# Allegro board FMDEMOD-57.brd (continued)
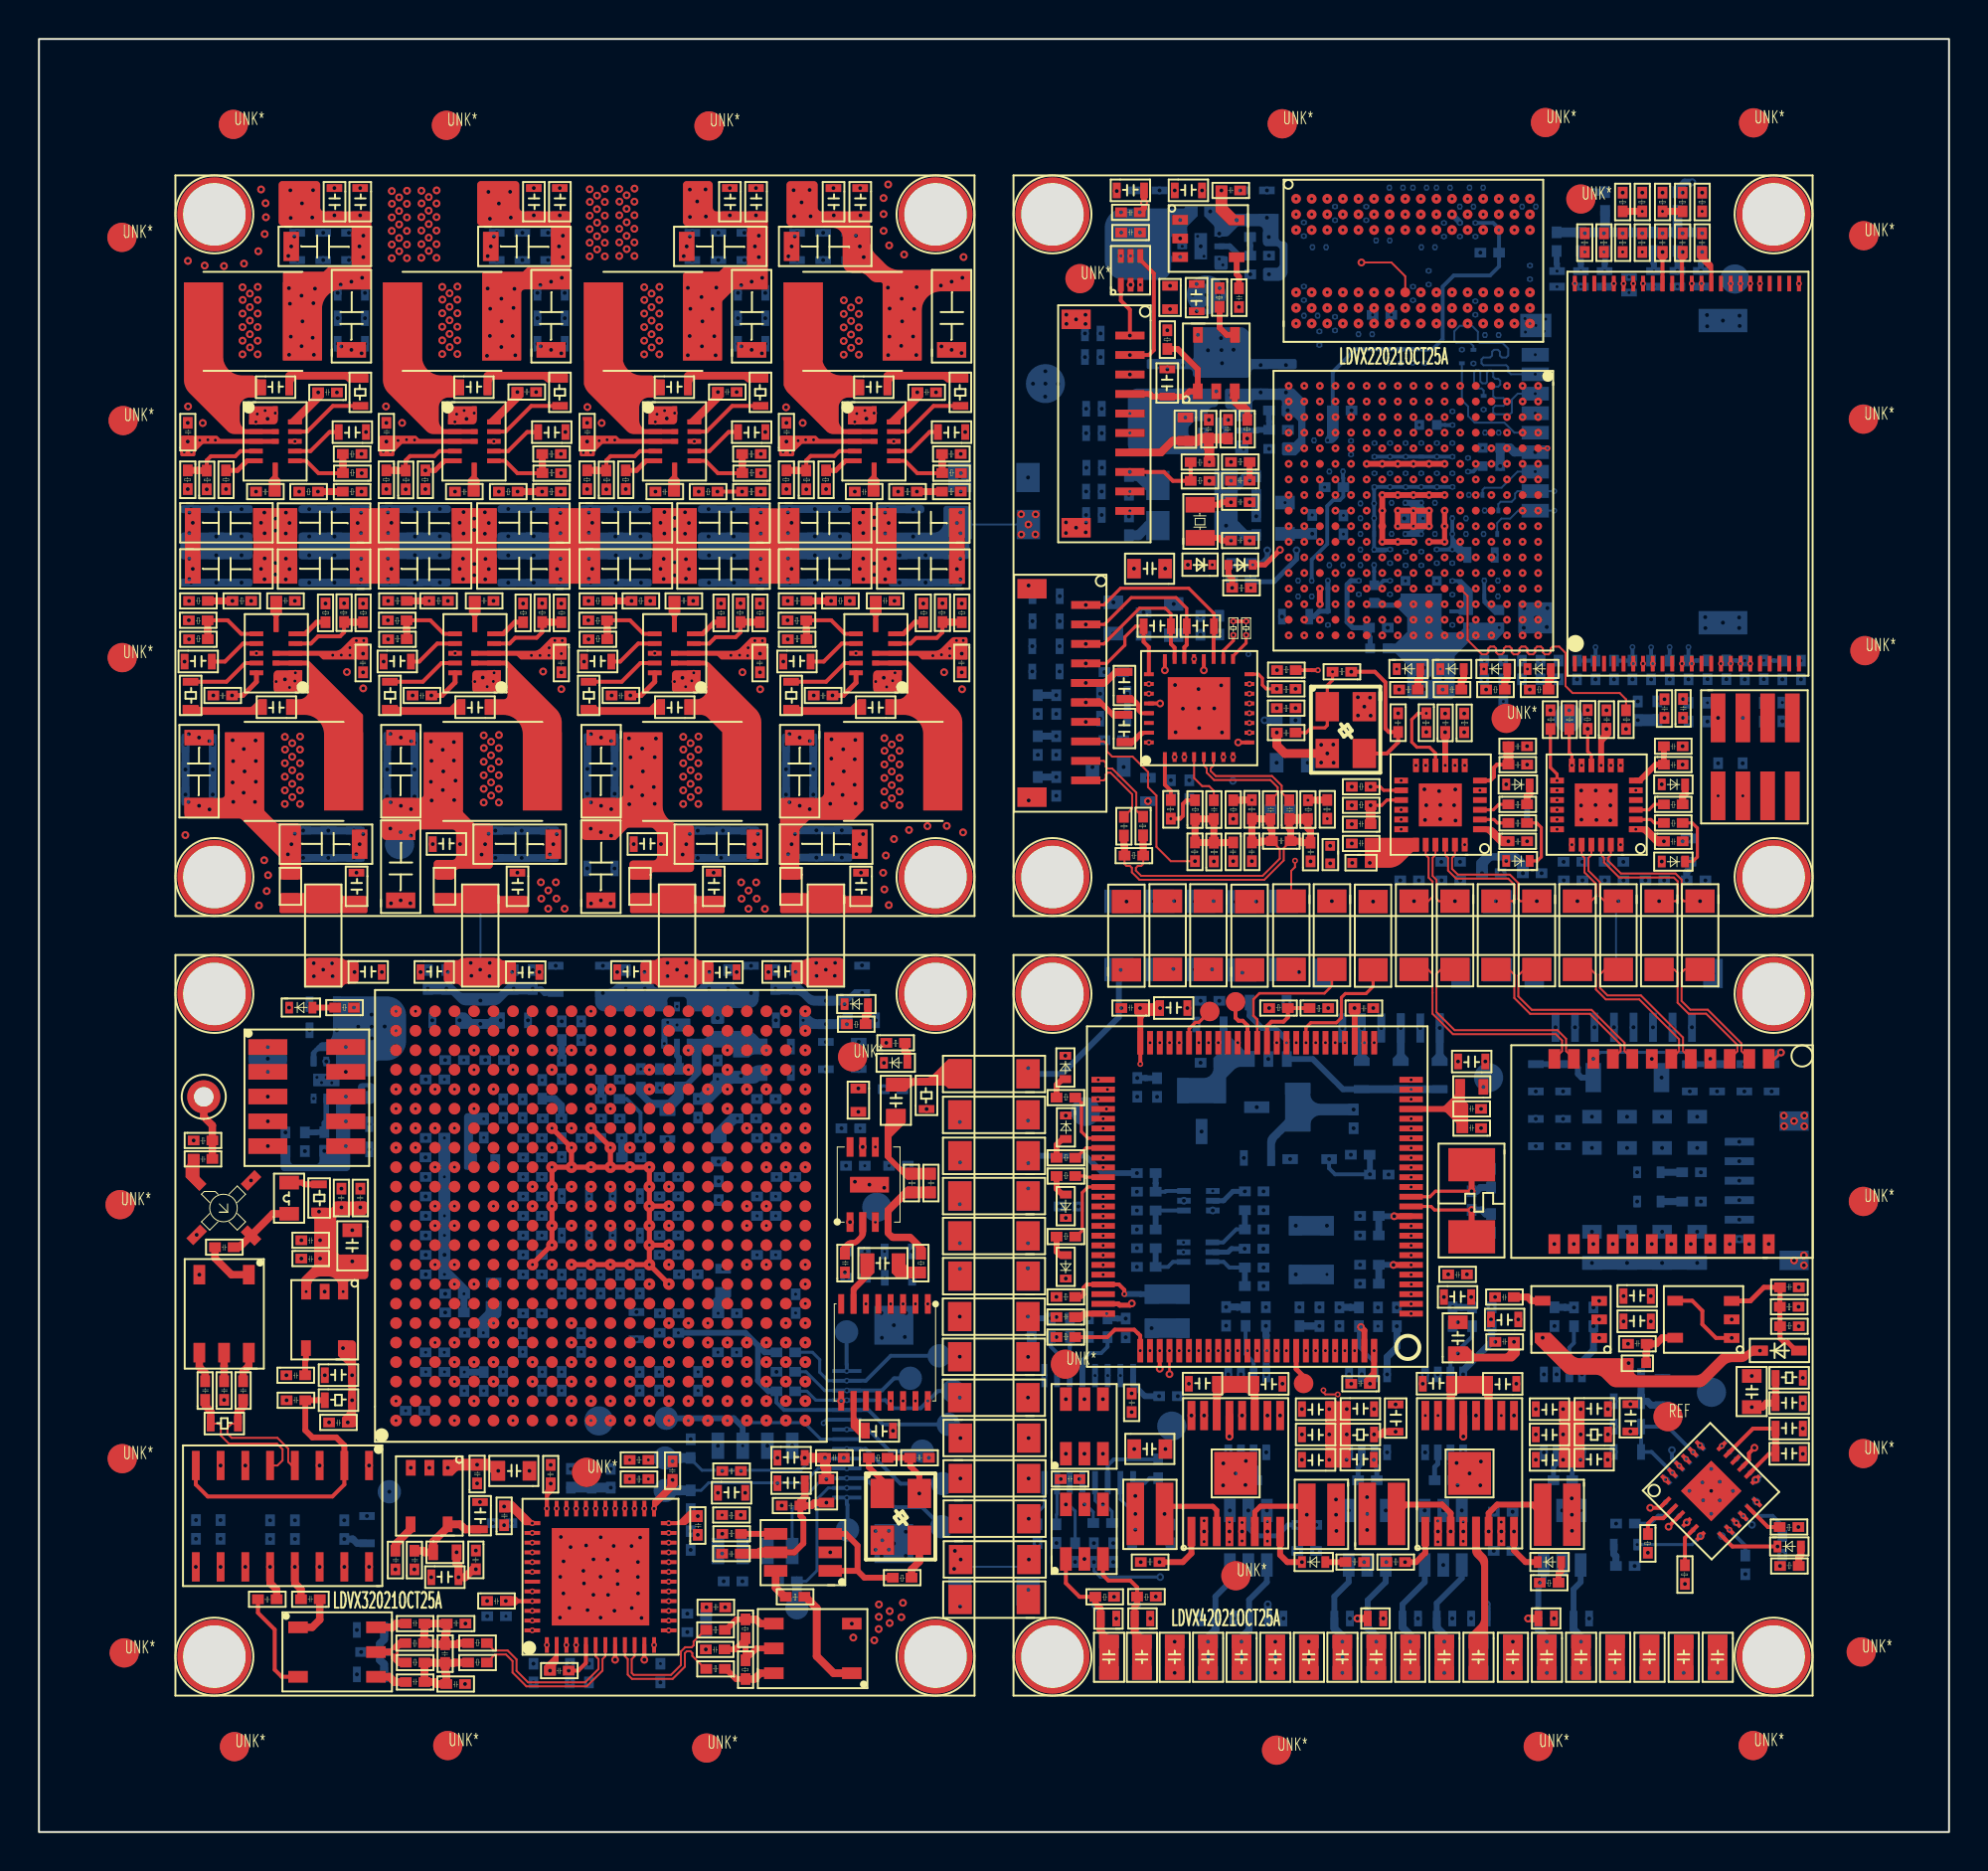
[diagram p0: board, top side]
## Placement (name value [footprint] x y rotation side) (continued)
NOREF#995  -  []  27.73 61.78 0 top
NOREF#996  -  []  36.6 78.96 90 top
NOREF#997  -  []  31.27 64.77 90 top
NOREF#998  -  []  29.95 26.54 90 top
NOREF#999  -  []  45.23 12.66 90 top
NOREF#1000  -  []  44.59 37.79 0 top
NOREF#1001  -  []  47.62 71.07 0 top
NOREF#1002  -  []  58.72 30.25 0 top
NOREF#1003  -  []  30.8 57.93 90 top
NOREF#1004  -  []  26.44 52.86 90 top
NOREF#1005  -  []  24.45 63.5 0 top
NOREF#1006  -  []  33.22 39.34 90 top
NOREF#1007  -  []  50.7 15.33 0 top
NOREF#1008  -  []  32.31 16.6 0 top
NOREF#1009  -  []  81.37 60.56 0 top
NOREF#1010  -  []  84.08 48.44 90 top
NOREF#1011  -  []  72.54 55.97 90 top
NOREF#1012  -  []  26.24 49.88 90 top
NOREF#1013  -  []  57.98 64.19 90 top
NOREF#1014  -  []  76.83 10.06 0 top
NOREF#1015  -  []  73.58 48.8 0 top
NOREF#1016  -  []  78.5 7.97 90 top
NOREF#1017  -  []  22.67 13.98 0 top
NOREF#1018  -  []  33.43 39.67 0 top
NOREF#1019  -  []  24.18 43.71 0 top
NOREF#1020  -  []  31.49 5.62 90 top
NOREF#1021  -  []  7.4 67.97 0 top
NOREF#1022  -  []  17.04 35.43 0 top
NOREF#1023  -  []  16.2 66.36 90 top
NOREF#1024  -  []  57.12 9.66 0 top
NOREF#1025  -  []  77 34.9 90 top
NOREF#1026  -  []  62.16 24.87 0 top
NOREF#1027  -  []  69.84 77.45 90 top
NOREF#1028  -  []  29.73 17.21 90 top
NOREF#1029  -  []  79.07 56.15 0 top
NOREF#1030  -  []  23.23 66.36 0 top
NOREF#1031  -  []  42.47 63.56 0 top
NOREF#1032  -  []  25.36 20.4 0 top
NOREF#1033  -  []  45.94 37.81 0 top
NOREF#1034  -  []  37.38 25 0 top
NOREF#1035  -  []  67.06 71.07 0 top
NOREF#1036  -  []  17.78 32.22 90 top
NOREF#1037  -  []  64.89 30.53 90 top
NOREF#1038  -  []  39.39 17.5 90 top
NOREF#1039  -  []  75.38 10.66 90 top
NOREF#1040  -  []  81.87 80.61 90 top
NOREF#1041  -  []  76.05 35.93 90 top
NOREF#1042  -  []  27.73 35.49 0 top
NOREF#1043  -  []  41.65 40.65 90 top
NOREF#1044  -  []  41.47 18.03 0 top
NOREF#1045  -  []  19.96 9.53 0 top
NOREF#1046  -  []  88.3 24.7 0 top
NOREF#1047  -  []  19.38 52.8 90 top
NOREF#1048  -  []  29.72 46.29 0 top
NOREF#1049  -  []  78.99 19.51 0 top
NOREF#1050  -  []  68.6 21.61 0 top
NOREF#1051  -  []  19.64 12.38 90 top
NOREF#1052  -  []  73.58 84.14 90 top
NOREF#1053  -  []  54.12 24.3 0 top
NOREF#1054  -  []  31.46 36.13 90 top
NOREF#1055  -  []  57.99 19.03 90 top
NOREF#1056  -  []  82.1 32.25 0 top
NOREF#1057  -  []  78.26 80.66 90 top
NOREF#1058  -  []  41.58 41.25 90 top
NOREF#1059  -  []  63.01 31.52 0 top
NOREF#1060  -  []  44.45 67.97 0 top
NOREF#1061  -  []  62.07 70.02 0 top
NOREF#1062  -  []  33.98 28.22 0 top
NOREF#1063  -  []  23.16 8.53 0 top
NOREF#1064  -  []  53.62 67.28 90 top
NOREF#1065  -  []  85.9 36.9 90 top
NOREF#1066  -  []  66.9 50.33 90 top
NOREF#1067  -  []  90.8 49.9 0 top
NOREF#1068  -  []  78.52 60.56 0 top
NOREF#1069  -  []  64.89 31.52 90 top
NOREF#1070  -  []  59.55 17.06 90 top
NOREF#1071  -  []  34.03 10.73 90 top
NOREF#1072  -  []  53.28 63.01 90 top
NOREF#1073  -  []  17.2 11.14 90 top
NOREF#1074  -  []  36.47 13.89 90 top
NOREF#1075  -  []  87.77 16.59 90 top
NOREF#1076  -  []  56.1 56.43 0 top
NOREF#1077  -  []  74.48 7.97 90 top
NOREF#1078  -  []  10.78 11.55 0 top
NOREF#1079  -  []  7.24 72.76 0 top
NOREF#1080  -  []  67.03 64.77 0 top
NOREF#1081  -  []  64.32 73.33 0 top
NOREF#1082  -  []  59.11 51.52 90 top
NOREF#1083  -  []  84.23 49.58 0 top
NOREF#1084  -  []  39.7 70.24 90 top
NOREF#1085  -  []  18.22 41.13 90 top
NOREF#1086  -  []  33.5 63.99 0 top
NOREF#1087  -  []  71.47 38.82 0 top
NOREF#1088  -  []  62.54 61.81 90 top
NOREF#1089  -  []  34.39 26.23 0 top
NOREF#1090  -  []  13.87 74.25 0 top
NOREF#1091  -  []  41.17 78.96 0 top
NOREF#1092  -  []  72.64 82.25 0 top
NOREF#1093  -  []  65.08 24.87 90 top
NOREF#1094  -  []  86.97 58.69 90 top
NOREF#1095  -  []  23.96 42.81 0 top
NOREF#1096  -  []  66.9 53.07 0 top
NOREF#1097  -  []  60.5 22.6 90 top
NOREF#1098  -  []  36.6 59.04 0 top
NOREF#1099  -  []  69.06 63.89 0 top
NOREF#1100  -  []  66.16 81.08 0 top
NOREF#1101  -  []  35.63 69.33 90 top
NOREF#1102  -  []  58.95 64.6 0 top
NOREF#1103  -  []  79.96 80.66 0 top
NOREF#1104  -  []  35.38 36.22 90 top
NOREF#1105  -  []  35.05 82.85 0 top
NOREF#1106  -  []  74.32 72.38 0 top
NOREF#1107  -  []  87.13 60.56 0 top
NOREF#1108  -  []  70.49 9.97 90 top
NOREF#1109  -  []  58.79 62.28 0 top
NOREF#1110  -  []  20.38 26.45 0 top
NOREF#1111  -  []  44.9 28.85 0 top
NOREF#1112  -  []  8.23 24.6 0 top
NOREF#1113  -  []  21.29 44.41 90 top
NOREF#1114  -  []  51.64 56.91 90 top
NOREF#1115  -  []  86.85 25.35 90 top
NOREF#1116  -  []  57.5 75.63 0 top
NOREF#1117  -  []  55.53 66.08 90 top
NOREF#1118  -  []  19.96 6.53 0 top
NOREF#1119  -  []  80.89 24.85 90 top
NOREF#1120  -  []  24.98 69.58 0 top
NOREF#1121  -  []  17.45 63.56 0 top
NOREF#1122  -  []  66.24 77.44 0 top
NOREF#1123  -  []  64.62 42.71 0 top
NOREF#1124  -  []  0 0 90 top
NOREF#1125  -  []  27.73 30.2 0 top
NOREF#1126  -  []  63.81 38.34 90 top
NOREF#1127  -  []  20.41 33.98 0 top
NOREF#1128  -  []  80.03 58.02 0 top
NOREF#1129  -  []  73.78 68.41 90 top
NOREF#1130  -  []  33.53 32.11 90 top
NOREF#1131  -  []  73 18.9 90 top
NOREF#1132  -  []  13.09 82.17 0 top
NOREF#1133  -  []  27.83 5.62 90 top
NOREF#1134  -  []  62.81 7.97 90 top
NOREF#1135  -  []  66.99 19.51 0 top
NOREF#1136  -  []  65.78 7.97 90 top
NOREF#1137  -  []  71.19 67.01 0 top
NOREF#1138  -  []  33.05 16.11 0 top
NOREF#1139  -  []  33.97 64 90 top
NOREF#1140  -  []  36.61 73.07 90 top
NOREF#1141  -  []  69.8 24.05 0 top
NOREF#1142  -  []  40 19.1 0 top
NOREF#1143  -  []  72.36 68.2 0 top
NOREF#1144  -  []  10.45 29.62 90 top
NOREF#1145  -  []  42.83 33.02 90 top
NOREF#1146  -  []  69.07 9.66 0 top
NOREF#1147  -  []  38.76 67.98 0 top
NOREF#1148  -  []  58.99 77.93 90 top
NOREF#1149  -  []  79.9 22.1 90 top
NOREF#1150  -  []  73.31 65.5 90 top
NOREF#1151  -  []  26.43 66.36 90 top
NOREF#1152  -  []  64.55 66.41 90 top
NOREF#1153  -  []  25.76 7.89 0 top
NOREF#1154  -  []  19.37 55.48 90 top
NOREF#1155  -  []  59.63 71.04 90 top
NOREF#1156  -  []  40.04 39.15 0 top
NOREF#1157  -  []  25.46 76.2 90 top
NOREF#1158  -  []  50.87 62.84 0 top
NOREF#1159  -  []  55.08 42.67 0 top
NOREF#1160  -  []  18.03 14.72 90 top
NOREF#1161  -  []  76 27.51 0 top
NOREF#1162  -  []  66.9 54.02 0 top
NOREF#1163  -  []  35.86 28.22 90 top
NOREF#1164  -  []  64.89 28.58 90 top
NOREF#1165  -  []  30.5 44.41 90 top
NOREF#1166  -  []  60.61 7.97 90 top
NOREF#1167  -  []  19.44 68.44 90 top
NOREF#1168  -  []  70.98 7.97 90 top
NOREF#1169  -  []  57.67 12.68 0 top
NOREF#1170  -  []  70.74 67.51 0 top
NOREF#1171  -  []  69.47 38.82 0 top
NOREF#1172  -  []  29.34 37.26 0 top
NOREF#1173  -  []  41.77 50.13 0 top
NOREF#1174  -  []  58.14 53.4 0 top
NOREF#1175  -  []  43.01 40.1 0 top
NOREF#1176  -  []  9.41 15.55 90 top
NOREF#1177  -  []  12.11 13.94 0 top
NOREF#1178  -  []  43.74 64.01 0 top
NOREF#1179  -  []  39.41 67.98 0 top
NOREF#1180  -  []  68.28 26.78 0 top
NOREF#1181  -  []  25.04 7.53 90 top
NOREF#1182  -  []  64.53 7.97 90 top
NOREF#1183  -  []  15.72 20.98 90 top
NOREF#1184  -  []  67.99 7.97 90 top
NOREF#1185  -  []  70.48 81.43 90 top
NOREF#1186  -  []  78.43 9.66 90 top
NOREF#1187  -  []  80.42 60.56 0 top
NOREF#1188  -  []  60.95 60.98 90 top
NOREF#1189  -  []  85.9 37.9 90 top
NOREF#1190  -  []  27.23 68.39 90 top
NOREF#1191  -  []  38.98 33.22 0 top
NOREF#1192  -  []  61.33 82.73 90 top
NOREF#1193  -  []  38.19 57.52 0 top
NOREF#1194  -  []  67.1 68.61 0 top
NOREF#1195  -  []  25.04 8.53 90 top
NOREF#1196  -  []  18.41 57.52 90 top
NOREF#1197  -  []  74.31 39.43 0 top
NOREF#1198  -  []  33.05 20.61 0 top
NOREF#1199  -  []  81.28 79.89 0 top
NOREF#1200  -  []  21.09 9.17 0 top
NOREF#1201  -  []  35.27 78.96 90 top
NOREF#1202  -  []  38.93 43.72 90 top
NOREF#1203  -  []  36.9 42.05 90 top
NOREF#1204  -  []  9.99 67.97 0 top
NOREF#1205  -  []  40.04 38.35 90 top
NOREF#1206  -  []  85.8 18.7 0 top
NOREF#1207  -  []  55.06 82.72 0 top
NOREF#1208  -  []  83.83 16.59 90 top
NOREF#1209  -  []  25.51 71.42 90 top
NOREF#1210  -  []  38.97 78.57 90 top
NOREF#1211  -  []  13.99 13.94 90 top
NOREF#1212  -  []  26.41 59.04 90 top
NOREF#1213  -  []  23.29 23.15 0 top
NOREF#1214  -  []  35.86 82.85 90 top
NOREF#1215  -  []  79.9 41.1 0 top
NOREF#1216  -  []  20.4 50.12 0 top
NOREF#1217  -  []  20.94 10.68 90 top
NOREF#1218  -  []  41.17 57.93 90 top
NOREF#1219  -  []  38.12 67.98 0 top
NOREF#1220  -  []  84.79 52.34 90 top
NOREF#1221  -  []  9.02 54.11 90 top
NOREF#1222  -  []  15.6 24.83 90 top
NOREF#1223  -  []  90.8 14.73 90 top
NOREF#1224  -  []  29.61 61.78 90 top
NOREF#1225  -  []  33.05 12.42 90 top
NOREF#1226  -  []  63.01 32.48 0 top
NOREF#1227  -  []  21.84 6.53 90 top
NOREF#1228  -  []  21.84 9.53 90 top
NOREF#1229  -  []  87.7 31 90 top
NOREF#1230  -  []  31.97 34.86 90 top
NOREF#1231  -  []  76.81 50.45 90 top
NOREF#1232  -  []  73.78 24.85 0 top
NOREF#1233  -  []  65.44 76.69 0 top
NOREF#1234  -  []  28.52 44.55 90 top
NOREF#1235  -  []  37.96 62.78 90 top
NOREF#1236  -  []  65.21 77.54 90 top
NOREF#1237  -  []  13.14 53.08 0 top
NOREF#1238  -  []  83.85 31.18 0 top
NOREF#1239  -  []  66.28 29.24 0 top
NOREF#1240  -  []  55.98 9.66 90 top
NOREF#1241  -  []  31.39 27.79 0 top
NOREF#1242  -  []  28.68 78.57 90 top
NOREF#1243  -  []  16.05 64.01 90 top
NOREF#1244  -  []  10.31 20.55 90 top
NOREF#1245  -  []  32.04 49.32 90 top
NOREF#1246  -  []  61.84 49.35 0 top
NOREF#1247  -  []  22.06 9.53 0 top
NOREF#1248  -  []  46.11 31.72 90 top
NOREF#1249  -  []  13.53 71.88 0 top
NOREF#1250  -  []  16.74 68.55 0 top
NOREF#1251  -  []  45.8 49.3 0 top
NOREF#1252  -  []  36.47 15.88 90 top
NOREF#1253  -  []  14.56 22.56 0 top
NOREF#1254  -  []  76.3 48.7 0 top
NOREF#1255  -  []  23.83 16.79 90 top
NOREF#1256  -  []  40.36 82.85 0 top
NOREF#1257  -  []  81.37 58.68 90 top
NOREF#1258  -  []  73.22 85.06 0 top
NOREF#1259  -  []  54.49 49.07 90 top
NOREF#1260  -  []  65.31 25.5 0 top
NOREF#1261  -  []  69.66 61.4 90 top
NOREF#1262  -  []  53.34 26.29 0 top
NOREF#1263  -  []  58.17 84.64 0 top
NOREF#1264  -  []  56.31 67.96 90 top
NOREF#1265  -  []  62.81 7.97 90 top
NOREF#1266  -  []  25.65 34.18 90 top
NOREF#1267  -  []  18.49 22.97 0 top
NOREF#1268  -  []  46.95 59.04 90 top
NOREF#1269  -  []  78.3 21.61 0 top
NOREF#1270  -  []  76.75 7.97 90 top
NOREF#1271  -  []  24.65 42.86 90 top
NOREF#1272  -  []  25.36 68.39 0 top
NOREF#1273  -  []  63.68 15.42 90 top
NOREF#1274  -  []  87.15 58.4 0 top
NOREF#1275  -  []  66.09 25.5 90 top
NOREF#1276  -  []  26.44 55.42 0 top
NOREF#1277  -  []  30.07 26.54 0 top
NOREF#1278  -  []  62.6 55.67 90 top
NOREF#1279  -  []  12.26 32.88 0 top
NOREF#1280  -  []  76.77 74.8 90 top
NOREF#1281  -  []  70.69 69.39 90 top
NOREF#1282  -  []  23.36 39.08 90 top
NOREF#1283  -  []  67.9 22.1 90 top
NOREF#1284  -  []  34.6 15.69 0 top
NOREF#1285  -  []  71.59 65.11 0 top
NOREF#1286  -  []  70.79 55.98 90 top
NOREF#1287  -  []  86.4 62.05 90 top
NOREF#1288  -  []  78.3 20.31 0 top
NOREF#1289  -  []  71.07 78.22 90 top
NOREF#1290  -  []  74.02 70.28 0 top
NOREF#1291  -  []  76.4 38.71 0 top
NOREF#1292  -  []  84.94 80.61 0 top
NOREF#1293  -  []  83.67 84.6 0 top
NOREF#1294  -  []  19.27 43.65 0 top
NOREF#1295  -  []  75.64 30.82 90 top
NOREF#1296  -  []  73.78 69.96 90 top
NOREF#1297  -  []  35.37 9.2 0 top
NOREF#1298  -  []  42.12 18.81 0 top
NOREF#1299  -  []  25.23 61.61 90 top
NOREF#1300  -  []  32.12 17.6 0 top
NOREF#1301  -  []  79.9 80.61 90 top
NOREF#1302  -  []  34.47 34.2 90 top
NOREF#1303  -  []  57.59 61.21 90 top
NOREF#1304  -  []  66.9 51.32 90 top
NOREF#1305  -  []  72.71 39.13 90 top
NOREF#1306  -  []  63.06 60.01 0 top
NOREF#1307  -  []  24.69 39.91 90 top
NOREF#1308  -  []  20.03 14.75 0 top
NOREF#1309  -  []  53.88 10.72 0 top
NOREF#1310  -  []  28.95 17.21 0 top
NOREF#1311  -  []  56.56 66.52 90 top
NOREF#1312  -  []  30.29 23.15 0 top
NOREF#1313  -  []  44.6 74.26 0 top
NOREF#1314  -  []  89.06 56.53 0 top
NOREF#1315  -  []  34.75 14.42 90 top
NOREF#1316  -  []  53.57 77.19 0 top
NOREF#1317  -  []  51.75 30.16 90 top
NOREF#1318  -  []  26.44 52.86 0 top
NOREF#1319  -  []  74.93 52.34 0 top
NOREF#1320  -  []  24.09 73.49 90 top
NOREF#1321  -  []  17.79 30 0 top
NOREF#1322  -  []  84.23 49.58 90 top
NOREF#1323  -  []  36.55 13.62 0 top
NOREF#1324  -  []  77.8 35.9 0 top
NOREF#1325  -  []  54.63 72.73 90 top
NOREF#1326  -  []  87.1 38.71 0 top
NOREF#1327  -  []  17.58 64.01 90 top
NOREF#1328  -  []  64.6 20.3 0 top
NOREF#1329  -  []  58.99 79.53 0 top
NOREF#1330  -  []  78 7.97 90 top
NOREF#1331  -  []  25.31 43.74 90 top
NOREF#1332  -  []  8.57 29.62 0 top
NOREF#1333  -  []  27.07 26.54 0 top
NOREF#1334  -  []  66.25 7.97 90 top
NOREF#1335  -  []  63.6 24.05 0 top
NOREF#1336  -  []  26.26 30.44 90 top
NOREF#1337  -  []  53.64 69.7 90 top
NOREF#1338  -  []  77.23 26.46 0 top
NOREF#1339  -  []  35.25 67.2 0 top
NOREF#1340  -  []  25.46 76.2 90 top
NOREF#1341  -  []  83.28 58.68 90 top
NOREF#1342  -  []  8.71 21.36 0 top
NOREF#1343  -  []  54.88 25.22 0 top
NOREF#1344  -  []  58.98 68.29 0 top
NOREF#1345  -  []  57.75 32.64 90 top
NOREF#1346  -  []  63.05 56.02 0 top
NOREF#1347  -  []  26.85 9.1 0 top
NOREF#1348  -  []  81.87 82.69 90 top
NOREF#1349  -  []  18.4 66.37 90 top
NOREF#1350  -  []  46.01 72.84 0 top
NOREF#1351  -  []  75.7 60.56 0 top
NOREF#1352  -  []  84.24 58.68 90 top
NOREF#1353  -  []  20.03 13.48 0 top
NOREF#1354  -  []  44.98 63.5 0 top
NOREF#1355  -  []  44 18.81 90 top
NOREF#1356  -  []  67.18 65.49 0 top
NOREF#1357  -  []  51.75 38.07 0 top
NOREF#1358  -  []  90.1 37.9 90 top
NOREF#1359  -  []  17.81 10.78 0 top
NOREF#1360  -  []  73.88 26.46 90 top
NOREF#1361  -  []  81.64 58.47 0 top
NOREF#1362  -  []  14.76 82.85 0 top
NOREF#1363  -  []  28.52 46.15 0 top
NOREF#1364  -  []  59.2 60.97 90 top
NOREF#1365  -  []  26.28 67.97 0 top
NOREF#1366  -  []  25.02 68.39 90 top
NOREF#1367  -  []  82.64 58.48 0 top
NOREF#1368  -  []  39.31 78.96 90 top
NOREF#1369  -  []  37.2 82.85 90 top
NOREF#1370  -  []  88.5 22.85 0 top
NOREF#1371  -  []  28.17 23.15 90 top
NOREF#1372  -  []  69.2 20.44 0 top
NOREF#1373  -  []  17.37 51.48 90 top
NOREF#1374  -  []  63.4 53.13 90 top
NOREF#1375  -  []  65.71 51.53 90 top
NOREF#1376  -  []  82.91 50.44 0 top
NOREF#1377  -  []  59.14 38.3 0 top
NOREF#1378  -  []  31.48 44.41 90 top
NOREF#1379  -  []  75 7.97 90 top
NOREF#1380  -  []  73.72 28.22 90 top
NOREF#1381  -  []  12.94 73.73 90 top
NOREF#1382  -  []  82.91 54.38 0 top
NOREF#1383  -  []  28.02 47.95 90 top
NOREF#1384  -  []  10.66 15.55 90 top
NOREF#1385  -  []  71.28 66.37 90 top
NOREF#1386  -  []  51.96 17.72 90 top
NOREF#1387  -  []  83.9 23 90 top
NOREF#1388  -  []  27.8 57.52 0 top
NOREF#1389  -  []  69.89 67.84 0 top
NOREF#1390  -  []  66.87 23.39 0 top
NOREF#1391  -  []  71.49 50.17 0 top
NOREF#1392  -  []  41.82 44.55 90 top
NOREF#1393  -  []  67.09 69.5 90 top
NOREF#1394  -  []  64.53 7.97 90 top
NOREF#1395  -  []  60.75 64.55 0 top
NOREF#1396  -  []  51.67 15.33 0 top
NOREF#1397  -  []  71.8 67.51 90 top
NOREF#1398  -  []  27.83 5.62 0 top
NOREF#1399  -  []  56.91 56.43 90 top
NOREF#1400  -  []  38.36 46.29 0 top
NOREF#1401  -  []  57.3 52.69 90 top
NOREF#1402  -  []  24.38 28.45 0 top
NOREF#1403  -  []  50.3 68.2 0 top
NOREF#1404  -  []  17.79 13.94 90 top
NOREF#1405  -  []  24.69 40.69 0 top
NOREF#1406  -  []  40.82 27.61 0 top
NOREF#1407  -  []  80.01 24.85 0 top
NOREF#1408  -  []  50.86 56.91 0 top
NOREF#1409  -  []  76.06 13.26 90 top
NOREF#1410  -  []  65.55 51.62 90 top
NOREF#1411  -  []  67 22.11 0 top
NOREF#1412  -  []  16.2 63.99 90 top
NOREF#1413  -  []  55.66 73.77 90 top
NOREF#1414  -  []  64.93 57.28 90 top
NOREF#1415  -  []  55.75 61.29 90 top
NOREF#1416  -  []  61.6 80.21 90 top
NOREF#1417  -  []  38.17 44.41 90 top
NOREF#1418  -  []  82.51 24.8 0 top
NOREF#1419  -  []  88.92 14.73 0 top
NOREF#1420  -  []  16.29 80.57 90 top
NOREF#1421  -  []  85.73 31.18 90 top
NOREF#1422  -  []  14.43 20.63 0 top
NOREF#1423  -  []  30.46 64.77 0 top
NOREF#1424  -  []  36.54 65.6 90 top
NOREF#1425  -  []  55.03 24.3 90 top
NOREF#1426  -  []  55.77 82.73 0 top
NOREF#1427  -  []  92.35 26.78 90 top
NOREF#1428  -  []  70.12 63.89 90 top
NOREF#1429  -  []  9.88 21.07 90 top
NOREF#1430  -  []  26.32 82.85 0 top
NOREF#1431  -  []  74.93 52.34 0 top
NOREF#1432  -  []  54.59 14.36 0 top
NOREF#1433  -  []  64.11 16.15 90 top
NOREF#1434  -  []  59.02 41.88 90 top
NOREF#1435  -  []  85.76 55.3 0 top
NOREF#1436  -  []  52.48 64.61 0 top
NOREF#1437  -  []  21.7 50.29 90 top
NOREF#1438  -  []  21.58 22.04 0 top
NOREF#1439  -  []  27.73 68.44 0 top
NOREF#1440  -  []  62.15 51.21 0 top
NOREF#1441  -  []  43.74 64.01 90 top
NOREF#1442  -  []  61.08 7.97 90 top
NOREF#1443  -  []  90.73 15.26 90 top
NOREF#1444  -  []  90.5 21.6 90 top
NOREF#1445  -  []  68.19 64.2 0 top
NOREF#1446  -  []  80.45 12.48 0 top
NOREF#1447  -  []  82.67 23.88 0 top
NOREF#1448  -  []  31.73 18.7 90 top
NOREF#1449  -  []  12.98 56.52 0 top
NOREF#1450  -  []  18.43 70.31 0 top
NOREF#1451  -  []  21.98 39.22 0 top
NOREF#1452  -  []  65.26 51.13 90 top
NOREF#1453  -  []  85.76 53.42 90 top
NOREF#1454  -  []  63.68 62.77 0 top
NOREF#1455  -  []  36.58 80.57 90 top
NOREF#1456  -  []  77.83 9.66 0 top
NOREF#1457  -  []  39.14 44.41 90 top
NOREF#1458  -  []  68.98 68.61 90 top
NOREF#1459  -  []  81.26 11.22 0 top
NOREF#1460  -  []  8.68 64.01 0 top
NOREF#1461  -  []  32.15 63.56 0 top
NOREF#1462  -  []  19.17 70.24 90 top
NOREF#1463  -  []  69.21 70.39 90 top
NOREF#1464  -  []  70.79 55.98 0 top
NOREF#1465  -  []  82.56 79.19 0 top
NOREF#1466  -  []  81.25 20.45 0 top
NOREF#1467  -  []  73.78 71.58 90 top
NOREF#1468  -  []  57.68 41.03 90 top
NOREF#1469  -  []  56.2 47.97 0 top
NOREF#1470  -  []  66.16 77.99 90 top
NOREF#1471  -  []  37.38 19.82 0 top
NOREF#1472  -  []  36.61 74.67 0 top
NOREF#1473  -  []  72.36 74.76 90 top
NOREF#1474  -  []  75.67 58.23 90 top
NOREF#1475  -  []  15.22 28.5 90 top
NOREF#1476  -  []  84.45 80.66 90 top
NOREF#1477  -  []  26.32 74.67 0 top
NOREF#1478  -  []  14.25 37.97 0 top
NOREF#1479  -  []  62.6 55.67 0 top
NOREF#1480  -  []  41.96 66.39 90 top
NOREF#1481  -  []  81.04 58.02 0 top
NOREF#1482  -  []  67.46 38.82 0 top
NOREF#1483  -  []  12.56 68.39 90 top
NOREF#1484  -  []  12.18 42.07 0 top
NOREF#1485  -  []  40.72 36.5 0 top
NOREF#1486  -  []  36.39 82.85 0 top
NOREF#1487  -  []  71.98 27.86 0 top
NOREF#1488  -  []  9.94 21.07 0 top
NOREF#1489  -  []  37.96 63.56 0 top
NOREF#1490  -  []  58.86 11.26 90 top
NOREF#1491  -  []  20.61 12.38 90 top
NOREF#1492  -  []  24.94 42.81 0 top
NOREF#1493  -  []  57.12 12.26 0 top
NOREF#1494  -  []  73.23 7.97 90 top
NOREF#1495  -  []  67.97 78.23 0 top
NOREF#1496  -  []  76.66 24.85 90 top
NOREF#1497  -  []  90.47 24.78 0 top
NOREF#1498  -  []  59.14 41.48 0 top
NOREF#1499  -  []  56.8 83.83 90 top
NOREF#1500  -  []  54.65 11.55 90 top
NOREF#1501  -  []  76.75 7.97 90 top
NOREF#1502  -  []  72.98 64.43 0 top
NOREF#1503  -  []  37.79 19.61 0 top
NOREF#1504  -  []  69.06 38.01 90 top
NOREF#1505  -  []  56.98 76.97 0 top
NOREF#1506  -  []  25.17 50.67 0 top
NOREF#1507  -  []  55.08 41.89 90 top
NOREF#1508  -  []  26.32 73.07 90 top
NOREF#1509  -  []  82.3 19.91 0 top
NOREF#1510  -  []  22.97 9.17 90 top
NOREF#1511  -  []  21.3 26.13 90 top
NOREF#1512  -  []  32.81 10.81 0 top
NOREF#1513  -  []  65.71 51.53 90 top
NOREF#1514  -  []  59.36 7.97 90 top
NOREF#1515  -  []  40.95 33.02 0 top
NOREF#1516  -  []  20.1 51.1 0 top
NOREF#1517  -  []  61.68 82.23 0 top
NOREF#1518  -  []  76.4 35.9 0 top
NOREF#1519  -  []  61.4 14.7 90 top
NOREF#1520  -  []  66.14 71.56 90 top
NOREF#1521  -  []  14.27 64.8 0 top
NOREF#1522  -  []  15.5 82.16 0 top
NOREF#1523  -  []  63.57 75.37 90 top
NOREF#1524  -  []  24.98 64 90 top
NOREF#1525  -  []  75.02 70.34 0 top
NOREF#1526  -  []  60.35 33.23 90 top
NOREF#1527  -  []  27.73 32.22 90 top
NOREF#1528  -  []  40.78 49.9 90 top
NOREF#1529  -  []  43.95 66.37 90 top
NOREF#1530  -  []  51.64 52.71 90 top
NOREF#1531  -  []  71.82 82.25 0 top
NOREF#1532  -  []  56.26 50.68 0 top
NOREF#1533  -  []  57.08 82.73 90 top
NOREF#1534  -  []  21.95 16.79 0 top
NOREF#1535  -  []  12.5 50.12 0 top
NOREF#1536  -  []  74 67.12 0 top
NOREF#1537  -  []  54.35 58 90 top
NOREF#1538  -  []  80.42 58.68 90 top
NOREF#1539  -  []  56.45 53.05 0 top
NOREF#1540  -  []  70.22 66.37 0 top
NOREF#1541  -  []  25.38 35.45 0 top
NOREF#1542  -  []  35.25 65.6 90 top
NOREF#1543  -  []  70.74 65.91 0 top
NOREF#1544  -  []  27.74 60.81 90 top
NOREF#1545  -  []  13.81 69.03 90 top
NOREF#1546  -  []  28.95 26.54 90 top
NOREF#1547  -  []  35.38 36.22 0 top
NOREF#1548  -  []  61.69 80.5 0 top
NOREF#1549  -  []  50.05 58.35 0 top
NOREF#1550  -  []  72.98 63.17 90 top
NOREF#1551  -  []  53.93 21.22 90 top
NOREF#1552  -  []  29.93 32.23 90 top
NOREF#1553  -  []  56.5 24.7 0 top
NOREF#1554  -  []  36.54 67.2 0 top
NOREF#1555  -  []  79.75 7.97 90 top
NOREF#1556  -  []  17.33 20.11 0 top
NOREF#1557  -  []  71.46 9.66 90 top
NOREF#1558  -  []  18.62 32.55 90 top
NOREF#1559  -  []  28.54 65.62 0 top
NOREF#1560  -  []  65.91 59.14 90 top
NOREF#1561  -  []  84.68 14.83 90 top
NOREF#1562  -  []  82.91 82.69 0 top
NOREF#1563  -  []  37.33 44.53 0 top
NOREF#1564  -  []  62.27 75.37 90 top
NOREF#1565  -  []  68.73 33.58 90 top
NOREF#1566  -  []  59.89 53.4 90 top
NOREF#1567  -  []  37.96 60.81 90 top
NOREF#1568  -  []  69.89 63.81 90 top
NOREF#1569  -  []  35.39 10.36 0 top
NOREF#1570  -  []  63.47 49.88 90 top
NOREF#1571  -  []  6.28 70.96 0 top
NOREF#1572  -  []  29.94 62.78 90 top
NOREF#1573  -  []  71.07 38.01 90 top
NOREF#1574  -  []  61.84 49.35 90 top
NOREF#1575  -  []  32.78 24.23 90 top
NOREF#1576  -  []  19.27 21.09 90 top
NOREF#1577  -  []  25.37 70.11 0 top
NOREF#1578  -  []  38.12 64 90 top
NOREF#1579  -  []  71.76 57.85 0 top
NOREF#1580  -  []  20.35 22.26 90 top
NOREF#1581  -  []  26.44 54.14 0 top
NOREF#1582  -  []  63.52 88.79 0 top
NOREF#1583  -  []  67.9 19.5 90 top
NOREF#1584  -  []  33.5 66.36 0 top
NOREF#1585  -  []  58.2 17.1 0 top
NOREF#1586  -  []  68.28 27.99 90 top
NOREF#1587  -  []  76.81 52.34 90 top
NOREF#1588  -  []  82.55 15.1 90 top
NOREF#1589  -  []  77.74 23.98 90 top
NOREF#1590  -  []  53.21 66.92 90 top
NOREF#1591  -  []  47.73 61.61 90 top
NOREF#1592  -  []  49.2 45.9 0 top
NOREF#1593  -  []  43.75 63.99 0 top
NOREF#1594  -  []  22.78 33.22 90 top
NOREF#1595  -  []  17.81 8.5 0 top
NOREF#1596  -  []  34.86 29.23 90 top
NOREF#1597  -  []  87.51 9.97 90 top
NOREF#1598  -  []  18.23 65.62 0 top
NOREF#1599  -  []  61.02 38.3 90 top
NOREF#1600  -  []  82.44 80.66 0 top
NOREF#1601  -  []  87.7 36.9 90 top
NOREF#1602  -  []  14.66 27.73 0 top
NOREF#1603  -  []  70.12 64.84 90 top
NOREF#1604  -  []  85.9 31 90 top
NOREF#1605  -  []  73.09 71.68 0 top
NOREF#1606  -  []  63.2 24.87 0 top
NOREF#1607  -  []  55.56 15.33 0 top
NOREF#1608  -  []  71.56 58.23 0 top
NOREF#1609  -  []  63.05 58.27 0 top
NOREF#1610  -  []  63.95 20.2 0 top
NOREF#1611  -  []  46.95 63.99 90 top
NOREF#1612  -  []  10.68 68.39 0 top
NOREF#1613  -  []  72.18 68.41 90 top
NOREF#1614  -  []  72.25 65.5 0 top
NOREF#1615  -  []  70.58 69.96 90 top
NOREF#1616  -  []  17.6 57.52 0 top
NOREF#1617  -  []  6.28 70.18 90 top
NOREF#1618  -  []  53.15 24.3 0 top
NOREF#1619  -  []  17.65 32.55 90 top
NOREF#1620  -  []  71.98 63.25 90 top
NOREF#1621  -  []  39.78 49.32 90 top
NOREF#1622  -  []  35.75 76.2 90 top
NOREF#1623  -  []  72.83 67.14 90 top
NOREF#1624  -  []  88.86 26.56 0 top
NOREF#1625  -  []  75 65.91 90 top
NOREF#1626  -  []  65.1 77.99 0 top
NOREF#1627  -  []  28.21 26.05 0 top
NOREF#1628  -  []  51.75 33.27 90 top
NOREF#1629  -  []  69.58 35.01 90 top
NOREF#1630  -  []  36.63 55.39 90 top
NOREF#1631  -  []  58.98 66.19 90 top
NOREF#1632  -  []  22.32 7.2 90 top
NOREF#1633  -  []  37.47 12.47 90 top
NOREF#1634  -  []  54.21 55.63 0 top
NOREF#1635  -  []  79.49 9.97 90 top
NOREF#1636  -  []  24.15 50.13 0 top
NOREF#1637  -  []  16.89 82.85 90 top
NOREF#1638  -  []  60.1 49.92 90 top
NOREF#1639  -  []  23.67 67.2 0 top
NOREF#1640  -  []  58.63 69.9 0 top
NOREF#1641  -  []  21.63 12.67 90 top
NOREF#1642  -  []  56.91 54.22 90 top
NOREF#1643  -  []  82.24 9.97 90 top
NOREF#1644  -  []  8.2 59.07 0 top
NOREF#1645  -  []  67.04 41.89 0 top
NOREF#1646  -  []  76.24 80.06 0 top
NOREF#1647  -  []  26.26 28.45 90 top
NOREF#1648  -  []  43.92 21.8 0 top
NOREF#1649  -  []  13.46 32.77 0 top
NOREF#1650  -  []  79.4 35.09 90 top
NOREF#1651  -  []  72.98 63.63 0 top
NOREF#1652  -  []  39.26 24.22 90 top
NOREF#1653  -  []  38.98 70.31 0 top
NOREF#1654  -  []  83.9 21.7 90 top
NOREF#1655  -  []  64.93 56.02 90 top
NOREF#1656  -  []  29.71 18.17 90 top
NOREF#1657  -  []  60.95 60.98 90 top
NOREF#1658  -  []  71.49 67.84 90 top
NOREF#1659  -  []  40.78 37.44 90 top
NOREF#1660  -  []  14.44 53.08 0 top
NOREF#1661  -  []  72.52 84.14 0 top
NOREF#1662  -  []  23 53.08 0 top
NOREF#1663  -  []  63.05 56.66 90 top
NOREF#1664  -  []  37.98 29.22 0 top
NOREF#1665  -  []  17.77 35.01 0 top
NOREF#1666  -  []  39.26 22.22 90 top
NOREF#1667  -  []  12.18 40.73 0 top
NOREF#1668  -  []  8.25 70.96 0 top
